# Altium PCB PCB2.PcbDoc (part 3 of 3)
Units mm, origin at the board's own origin, x right, y up, seen from the top; angles counter-clockwise.
Board outline 119.14 x 92.59 mm, 4 copper layers (Top Layer, GND Layer, PWR Layer, Bottom Layer), stack 1.471 mm thick; 167 components, 167 nets, 891 pads, 337 vias.
Unrouted connection lines stored in the file: 145.
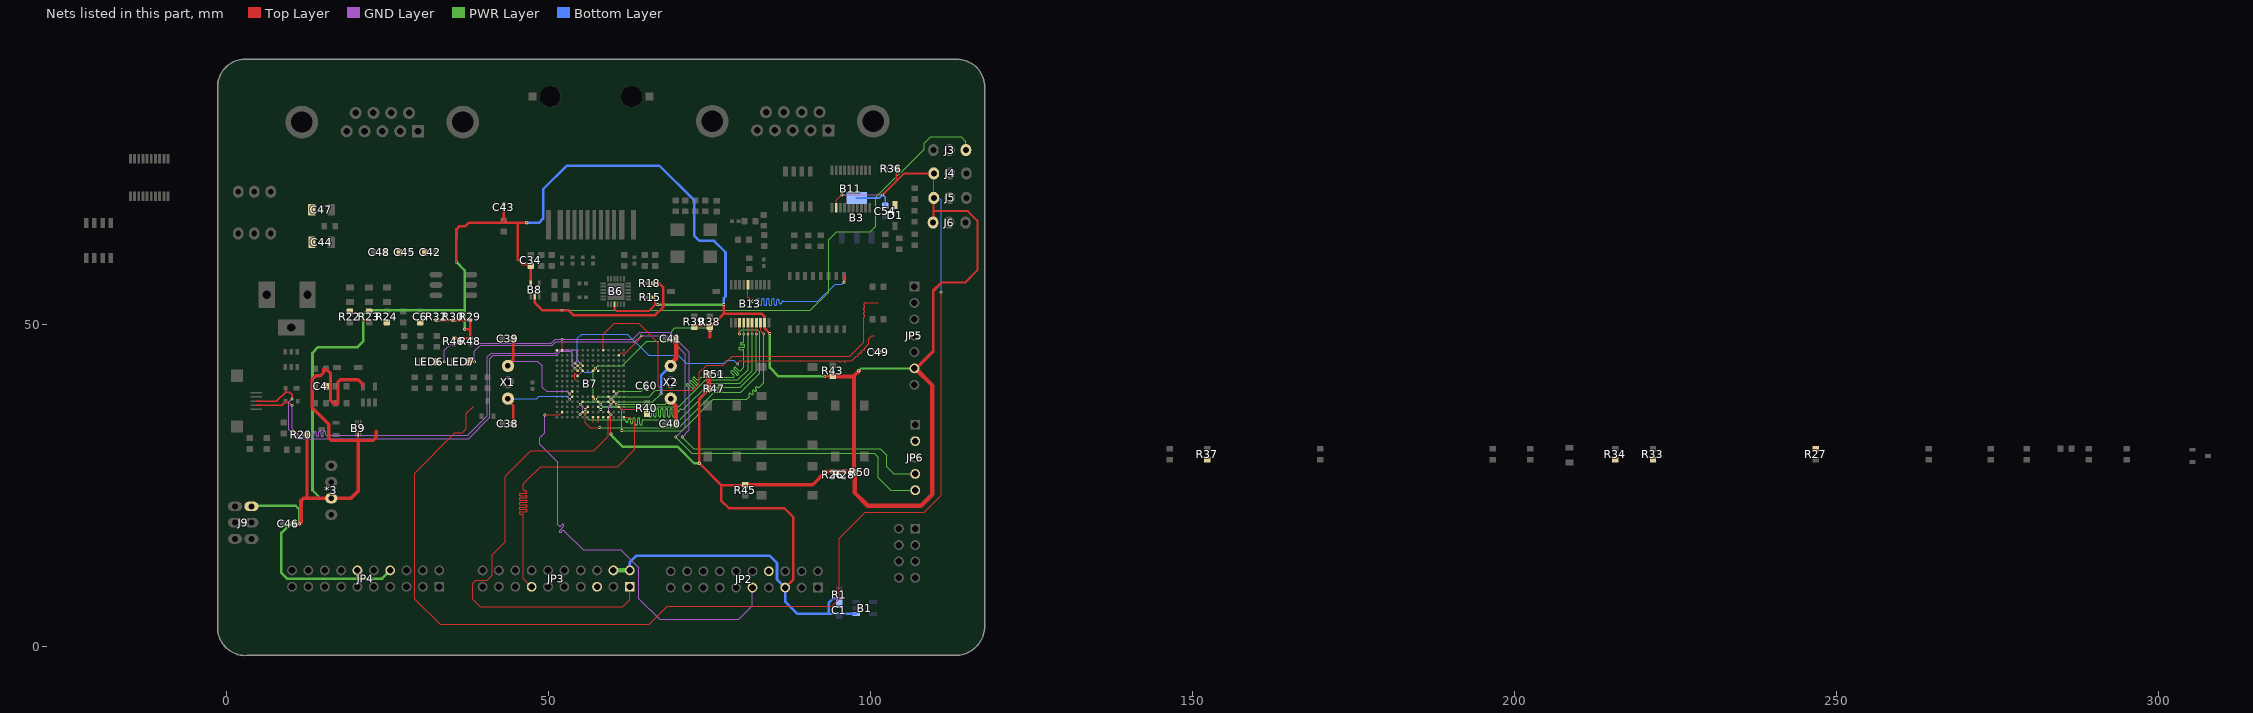
[diagram p5: the nets of this part, all layers, seen from the top]

## Via types
v1: diameter 0.42, hole 0.2, Top Layer to Bottom Layer, tented both sides, 238 vias
v2: diameter 0.5, hole 0.25, Top Layer to Bottom Layer, tented both sides, 62 vias
v3: diameter 1, hole 0.54, Top Layer to Bottom Layer, 32 vias
v4: diameter 6.3, hole 3.2, Top Layer to Bottom Layer, 4 vias
v5: diameter 0.42, hole 0.2, Top Layer to Bottom Layer, 1 vias

## Nets (pads, with @x,y where several pads share a name; then routed paths per layer and width w, separated by ;. In a path a pad name is that pad's centre, name@x,y a point inside that pad or via, vN(x,y) a via of type N, cw(c..) or ccw(c..) an arc to the next point about the centre after c; other vN are vias at no path point) (continued)
PIN_N2: B7.N2 JP2.5 | length 66.2
  Top Layer w0.12: v1(49.485,36.023) 49.508,36.046 51.743,36.046 B7.N2@52.178,36.481
  GND Layer w0.12: v1(49.485,36.023) 49.485,33.229 48.731,32.475 48.731,31.443 51.517,28.657 51.517,19.132 51.517,19.005 51.727,18.795 ccw(c51.854,18.922) 51.981,18.795 52.166,18.98 cw(c52.293,18.852) 52.42,18.98 cw(c52.293,18.852) 52.42,18.725 51.783,18.088 ccw(c51.91,17.96) 51.783,17.833 ccw(c51.91,17.96) 52.038,17.833 52.236,18.032 cw(c52.363,17.904) 52.491,18.032 52.533,17.989 55.454,15.068 61.296,15.068 64.086,12.279 64.086,7.5 67.312,4.273 79.584,4.273 81.743,6.432 JP2.5@81.743,9.226
PIN_P8: B7.P8 | length 0.8
  Top Layer w0.12: 56.978,34.841 B7.P8@56.978,35.681
PIN_P9: B7.P9 JP3.3 | length 0.8
  Top Layer w0.12: 57.778,34.841 B7.P9@57.778,35.681
PIN_P10: B7.P10
PIN_P11: B7.P11 JP2.17 JP3.1 | length 71.1
  Top Layer w0.12: B7.P11@59.378,35.681 59.378,32.708 57.105,30.435 47.326,30.435 43.389,26.498 43.389,16.338 41.357,14.306 41.357,11.158 40.588,10.389 38.768,10.389 38.309,9.931 38.309,7.431 39.495,6.245 61.617,6.245 62.693,7.321 JP3.1@62.693,9.353
PIN_P14: B7.P14 JP3.7 | length 52.7
  Top Layer w0.12: JP3.7@47.453,9.353 46.183,10.623 46.183,20.402 46.183,20.462 ccw(c46.003,20.462) 46.003,20.642 45.694,20.642 cw(c45.694,20.822) 45.694,21.002 46.564,21.002 ccw(c46.564,21.182) 46.564,21.362 45.694,21.362 cw(c45.694,21.542) 45.694,21.722 46.564,21.722 ccw(c46.564,21.902) 46.564,22.082 45.694,22.082 cw(c45.694,22.262) 45.694,22.442 46.564,22.442 ccw(c46.564,22.622) 46.564,22.802 45.694,22.802 cw(c45.694,22.982) 45.694,23.162 46.564,23.162 ccw(c46.564,23.342) 46.564,23.522 45.694,23.522 cw(c45.694,23.702) 45.694,23.882 46.515,23.882 ccw(c46.515,24.062) 46.515,24.242 46.363,24.242 cw(c46.363,24.422) 46.183,24.422 46.183,25.355 46.691,25.863 48.85,28.022 60.788,28.022 63.455,30.689 63.455,34.88 62.654,35.681 B7.P14@61.778,35.681
REFCLKO: B8.2 J3.1 R18.2 | length 110.6
  Top Layer w0.4: B8.2@47.961,54.504 47.961,53.422 49.104,52.279 v1(52.152,52.279) 53.168,52.279 53.93,51.517 66.63,51.517 67.9,52.787 67.9,55.835 67.265,56.47 R18.2@66.312,56.47
  PWR Layer w0.12: v1(52.152,52.279) 90.743,52.279 93.554,55.09 93.554,63.201 94.824,64.471 100.031,64.471 100.92,65.36 100.92,69.805 108.413,77.298 108.413,78.187 109.429,79.203 114.128,79.203 114.89,78.441 J3.1@114.89,77.171
"RTCX1 L12": B7.L12 C40.2 X2.2 | length 13.7
  Top Layer w0.12: B7.L12@60.178,38.081 v1(60.578,37.681)
  Top Layer w0.7: X2.2@69.043,38.563 69.043,38.237 69.854,37.426 C40.2@69.854,34.626
  PWR Layer w0.12: v1(60.578,37.681) 68.161,37.681 X2.2@69.043,38.563
"RTCX2 K11": B7.K11 C41.1 X2.1 | length 18.5
  Top Layer w0.12: B7.K11@59.378,38.881 v1(59.778,38.481)
  Top Layer w0.7: X2.1@69.043,43.643 69.043,43.969 69.893,44.819 C41.1@69.893,47.834
  PWR Layer w0.12: v1(59.778,38.481) 60.204,38.055 66.266,38.055 v1(67.552,39.341)
  Bottom Layer w0.4: v1(67.552,39.341) 67.552,42.152 X2.1@69.043,43.643
SPI_CLK: B7.D6 R40.1 | length 57.3
  Top Layer w0.12: v1(54.978,44.081) B7.D6@55.378,43.681 ; v1(79.465,43.889) 79.522,43.947 79.522,44.216 79.74,44.434 79.965,44.434 80.325,44.434 ccw(c80.505,44.448) 80.685,44.434 81.045,44.434 ccw(c81.225,44.434) 81.405,44.434 81.765,44.434 82.125,44.434 82.485,44.434 82.845,44.434 83.205,44.434 83.394,44.434 94.804,44.434 95.164,44.434 ccw(c95.344,44.434) 95.524,44.434 95.884,44.434 ccw(c96.064,44.434) 96.244,44.434 96.604,44.434 96.964,44.434 97.139,44.434 97.601,44.896 97.856,45.151 ccw(c97.973,45.288) 98.11,45.405 98.365,45.66 ccw(c98.492,45.787) 98.619,45.914 98.874,46.169 ccw(c99.001,46.296) 99.129,46.424 99.383,46.678 99.638,46.933 99.65,46.945 99.777,47.072 99.777,47.834 100.285,48.342 100.745,48.342
  Bottom Layer w0.12: v1(54.978,44.081) 54.565,44.494 54.565,47.961 55.2,48.596 62.312,48.596 65.611,45.297 70.214,45.297 71.476,44.035 77.309,44.035 77.806,44.532 78.822,44.532 v1(79.465,43.889)
SPI_CS: B7.A1 R37.1
SPI_MISO: B7.E9 R39.1
SPI_MOSI: B7.A10 R38.1 | length 64.9
  Top Layer w0.12: B7.A10@58.578,46.081 58.578,48.545 60.28,50.247 64.09,50.247 67.138,47.199 67.138,40.468 67.773,39.833 72.472,39.833 73.488,40.849 73.488,42.627 74.631,43.77 77.171,43.77 78.568,45.167 96.856,45.167 99.015,47.326 99.015,50.882 99.015,51.242 ccw(c99.015,51.422) 99.015,51.602 99.015,51.962 ccw(c99.015,52.142) 99.015,52.322 99.015,52.682 ccw(c99.015,52.862) 99.015,53.042 99.015,53.168 cw(c99.269,53.168) 99.269,53.422 101.256,53.422
UART_RXD: B7.B13 JP6.5 LED7.2 | length 98.4
  Top Layer w0.12: LED7.2@37.674,44.278 v1(38.563,44.278) ; B7.B13@60.978,45.281 61.378,45.681 62.064,45.681 63.201,46.818 64.442,48.059 64.442,48.313 v1(64.471,48.342)
  GND Layer w0.12: v1(38.563,44.278) 38.563,45.929 39.502,46.868 50.678,46.868 51.177,47.367 63.496,47.367 v1(64.471,48.342) 68.408,48.342 71.329,45.421 71.329,34.118 v1(69.805,32.594)
  PWR Layer w0.12: v1(69.805,32.594) 72.345,30.054 100.678,30.054 101.301,29.431 101.301,26.244 103.206,24.339 JP6.5@107.016,24.339
UART_TXD: B7.A2 JP6.4 LED6.2 | length 98.4
  Top Layer w0.12: LED6.2@32.721,44.278 v1(33.864,44.278) ; B7.A2@52.178,46.081 52.182,46.085 52.182,47.797 v1(52.186,47.802)
  GND Layer w0.12: v1(33.864,44.278) 33.864,46.056 35.007,47.199 50.501,47.199 51.103,47.802 v1(52.186,47.802) 63.178,47.802 64.226,48.85 68.826,48.85 71.931,45.745 71.931,33.704 v1(70.821,32.594)
  PWR Layer w0.12: v1(70.821,32.594) 72.599,30.816 101.555,30.816 102.571,29.8 102.571,28.022 103.714,26.879 JP6.4@107.016,26.879
USB0_DM_TRGT: B7.D5 R23.2 | length 71.4
  Top Layer w0.12: 9.239,38.182 9.239,38.132 9.479,37.892 9.897,37.892 v1(10.242,37.547) ; v1(54.178,44.081) B7.D5@54.578,43.681
  Top Layer w0.22: 4.654,37.532 8.639,37.532 9.239,38.132
  GND Layer w0.12: v1(10.242,37.547) 10.242,33.864 11.258,32.848 12.567,32.848 13.492,32.848 ccw(c13.492,33.028) 13.672,33.028 13.672,33.238 cw(c13.852,33.238) 14.032,33.238 14.032,32.884 ccw(c14.212,32.884) 14.392,32.884 14.392,33.312 cw(c14.572,33.312) 14.752,33.312 14.752,32.884 ccw(c14.932,32.884) 15.112,32.884 15.112,33.312 cw(c15.292,33.312) 15.472,33.312 15.472,33.028 ccw(c15.652,33.028) 15.652,32.848 16.072,32.848 37.547,32.848 40.595,35.896 40.595,45.04 41.151,45.596 51.151,45.596 51.738,46.183 54.184,46.183 54.565,45.802 54.565,44.468 v1(54.178,44.081)
USB0_DP_TRGT: B7.E5 R22.2 | length 71.4
  Top Layer w0.12: v1(54.178,43.281) B7.E5@54.578,42.881
  Top Layer w0.22: 4.654,38.182 7.829,38.182 9.239,39.592 ; 9.239,40.182 9.239,39.947 9.239,39.592 ; v1(10.237,38.504) 10.242,38.51 10.242,39.198 9.848,39.592 9.239,39.592
  GND Layer w0.12: v1(10.237,38.504) 10.183,38.504 9.734,38.055 9.734,33.737 11.131,32.34 37.674,32.34 40.976,35.642 40.976,44.786 41.469,45.279 51.248,45.279 51.898,45.929 53.422,45.929 53.761,45.591 53.761,43.699 v1(54.178,43.281)
USB_FS_VBUS_TRGT: D1.2
VDD_TARGET: *3.3 B1.1 B3.4 B6.9 B7.N6 B7.N11 B8.5 B9.9 B11.2 B13.19 C1.2 C4.1 C6.1 C34.1 C54.1 C60.1 J4.3 J5.3 J6.3 J9.4 JP2.3 JP3.19 JP3.20 JP4.15 JP4.17 JP5.6 JP6.2 R1.1 R15.2 R20.1 R24.1 R26.2 R27.2 R28.2 R29.2 R30.2 R32.2 R33.1 R34.1 R36.1 R43.1 R45.1 R46.1 R47.1 R48.1 R50.1 R51.1 | length 824.8
  Top Layer w0.12: 38.436,37.412 37.293,36.269 37.293,33.864 36.658,33.229 35.515,33.229 29.292,27.006 29.292,7.448 33.229,3.511 65.702,3.511 68.496,6.305 94.062,6.305 95.237,7.48 95.237,16.878 99.269,20.91 108.413,20.91 111.027,23.524 v1(111.027,55.094) ; 54.578,41.281 54.178,41.681 54.178,42.481 54.578,42.081 55.378,42.881 v1(54.978,43.281) ; v1(54.972,36.09) 54.979,36.09 55.371,36.481 B7.N6@55.378,36.481 ; v1(54.978,37.681) 55.378,38.081 ; 56.978,42.881 v1(57.378,43.281) ; B7.N11@59.378,36.481 59.378,36.476 59.766,36.088 v1(59.766,36.083) 59.769,36.08 59.769,33.105 v1(59.772,33.102) ; 59.378,38.081 v1(59.778,37.681) ; 60.178,39.681 v1(60.578,39.281) ; v1(64.852,40.087) C60.1@65.36,40.087 ; B11.2@94.753,68.182 94.753,69.353 v2(95.631,70.231) ; 104.076,72.327 104.101,72.351 ; J6.3@109.779,65.913 J6.3@109.842,65.977 ; J5.3@109.842,69.66 J5.3@109.906,69.723 J4.3@109.906,73.533
  Top Layer w0.2: 104.101,72.351 R36.1@104.101,74.295
  Top Layer w0.22: 20.529,32.044 B9.9@20.529,33.141
  Top Layer w0.3: B6.9@60.284,53.25 60.284,52.529 60.661,52.152 65.614,52.152 66.63,53.168 ; R15.2@66.328,54.311 66.63,54.009 66.63,53.168 ; v1(67.011,53.168) 66.63,53.168 ; v1(101.965,70.215) 104.076,72.327 ; 104.101,72.351 105.283,73.533 J4.3@109.906,73.533 ; J6.3@109.842,65.977 109.842,67.691 ; J5.3@109.842,69.66 109.842,67.691 ; 111.08,56.597 114.763,56.597 116.668,58.502 116.668,66.212 115.189,67.691 109.842,67.691
  Top Layer w0.4: v2(11.385,19.132) v2@11.385,19.159 ; 15.135,43.127 15.179,43.171 15.279,43.071 ; 21.138,40.848 21.238,40.748 21.238,40.448 ; v2(21.291,50.755) 22.227,50.755 ; R32.2@32.681,50.763 R30.2@35.304,50.763 R29.2@37.928,50.763 37.928,49.354 ; R46.1@35.388,47.961 35.396,47.953 37.92,47.953 R48.1@37.928,47.945 37.928,49.354 ; v2(35.769,59.772) 35.775,59.778 35.775,63.433 35.78,63.438 35.78,64.863 36.277,65.36 37.166,65.36 37.666,65.86 43.135,65.86 ; v2(37.043,49.354) 37.928,49.354 ; 43.135,67.773 43.135,65.86 ; 45.294,65.868 45.294,60.153 46.037,59.41 47.092,59.41 C34.1@47.326,59.176 47.326,56.744 47.311,56.729 B8.5@47.311,56.404 ; v2(46.691,65.868) 43.143,65.868 43.135,65.86 ; 72.726,50.001 75.139,50.001 ; R47.1@74.963,40.087 74.963,40.037 73.488,38.562 v2(73.488,28.53) 76.917,25.101 ; 74.996,48.103 75.139,48.103 v1(75.139,49.104) 75.139,50.001 ; v1(77.298,53.168) 77.298,51.771 77.352,51.771 ; R45.1@80.6,25.189 80.512,25.101 76.917,25.101 ; v1(84.425,48.662) 84.422,48.666 84.422,48.709 83.662,49.468 83.662,50.332 B13.19@83.637,50.357 83.612,50.382 83.612,51.299 83.14,51.771 77.352,51.771 ; JP2.3@86.823,9.226 88.093,10.496 88.093,20.148 86.696,21.545 78.06,21.545 76.917,22.688 76.917,25.101 ; v1(92.975,42.037) 92.978,42.034 94.186,42.034 R43.1@94.189,42.031 ; R26.2@94.189,27.252 R26.2@94.193,27.256 ; JP5.6@106.889,43.262 JP5.6@107.016,43.135 ; 75.139,50.001 75.224,50.086 75.667,50.086 77.352,51.771
  Top Layer w0.45: JP5.6@107.016,43.135 107.08,43.199 109.81,45.929 109.81,55.327 111.08,56.597
  Top Layer w0.5: 12.573,23.163 R20.1@12.573,32.891 ; 15.135,43.127 15.135,42.603 14.651,42.119 13.925,42.119 13.392,41.586 13.392,37.123 15.93,34.586 15.93,32.495 16.381,32.044 20.529,32.044 22.773,32.044 23.323,32.594 23.323,33.491 ; 15.279,43.071 15.64,43.071 16.211,42.5 16.211,38.309 16.66,37.86 17.362,37.86 17.362,41.111 17.735,41.484 20.502,41.484 21.138,40.848
  Top Layer w0.6: 10.496,19.132 v2(11.385,19.132) ; v2@11.385,19.159 11.639,19.413 11.639,22.688 12.045,23.094 *3.3@16.338,23.094 19.411,23.094 20.529,24.212 20.529,32.044 ; R20.1@12.489,32.975 R20.1@12.573,32.891 ; R45.1@80.6,25.189 91.102,25.189 93.165,27.252 R26.2@94.189,27.252 ; R43.1@94.189,42.031 94.383,42.031 94.389,42.025 97.491,42.025 ; R26.2@94.193,27.256 R28.2@95.967,27.256 ; R28.2@95.967,27.26 R50.1@97.251,27.26 ; R50.1@97.657,27.133 97.657,27.183 97.491,27.349 97.491,42.025 ; v2(98.255,42.881) 97.491,42.117 97.491,42.025
  Top Layer w0.7: R51.1@74.924,42.373 74.924,42.243 74.944,42.223 74.944,40.237 74.963,40.218 R47.1@74.963,40.087 ; R50.1@97.657,27.133 97.657,23.919 99.65,21.926 107.905,21.926 109.683,23.704 109.683,40.595 107.08,43.199 107.016,43.262 JP5.6@106.889,43.262
  GND Layer w0.12: v1(54.972,36.09) 55.375,36.493 55.375,37.284 v1(54.978,37.681) ; v1(59.766,36.083) 59.391,36.458 59.391,37.294 v1(59.778,37.681) ; v2(95.631,70.231) 95.639,70.223 101.957,70.223 v1(101.965,70.215)
  PWR Layer w0.12: v1(54.978,37.681) 55.352,38.055 56.978,38.055 ; v1(59.778,37.681) 59.404,38.055 56.978,38.055 ; v1(60.578,39.281) 61.003,39.706 64.471,39.706 v1(64.852,40.087) ; v1(75.139,49.104) 74.697,49.546 69.655,49.546 69.17,49.061 69.17,47.961 68.662,47.453 65.284,47.453 61.482,43.651 58.025,43.651 58.017,43.643 57.74,43.643 v1(57.378,43.281) 56.978,42.881 56.978,38.055
  PWR Layer w0.3: 10.795,21.899 10.822,21.899 ; v2(98.255,42.881) 98.636,43.262 JP5.6@106.889,43.262
  PWR Layer w0.4: J9.4@3.937,21.844 3.992,21.899 10.795,21.899 ; 10.822,21.899 11.385,21.336 v2(11.385,19.132) 9.988,19.132 8.591,17.735 8.591,11.512 9.48,10.623 20.402,10.623 ; *3.3@16.338,23.094 14.662,23.094 13.417,24.339 13.417,45.675 14.306,46.564 20.408,46.564 21.291,47.448 v2(21.291,50.755) 21.291,51.644 21.926,52.279 37.043,52.279 ; JP4.15@20.402,11.893 20.402,10.623 ; JP4.17@25.482,11.893 24.212,10.623 20.402,10.623 ; v2(35.769,59.772) 37.043,58.498 37.043,52.279 ; v2(37.043,49.354) 37.043,52.279 ; v1(59.772,33.102) 59.776,33.098 59.776,32.936 61.641,31.07 70.15,31.07 72.69,28.53 v2(73.488,28.53) ; v1(67.011,53.168) v1(77.298,53.168) ; v1(84.425,48.662) 84.425,43.374 85.763,42.037 v1(92.975,42.037)
  PWR Layer w0.7: JP3.19@60.153,11.893 JP3.20@62.693,11.893
  Bottom Layer w0.12: v1(54.978,43.281) 55.632,42.627 56.724,42.627 v1(57.378,43.281) ; v1(59.778,37.681) 60.153,38.056 60.153,38.944 60.263,39.054 60.27,39.054 60.497,39.281 v1(60.578,39.281) ; 109.835,70.694 109.835,70.567 111.027,69.375 v1(111.027,55.094)
  Bottom Layer w0.2: v1(101.965,70.215) 102.362,69.817 C54.1@102.362,68.541
  Bottom Layer w0.22: R1.1@95.204,7.582 R1.1@95.205,7.583 ; B1.1@97.808,5.136 B1.1@97.842,5.101
  Bottom Layer w0.3: B3.4@97.917,69.725 101.475,69.725 v1(101.965,70.215)
  Bottom Layer w0.4: v2(46.691,65.868) 48.596,65.868 49.231,66.503 49.231,71.075 52.914,74.758 67.265,74.758 72.726,69.297 72.726,63.836 73.488,63.074 75.774,63.074 77.554,61.294 77.554,54.42 77.298,54.164 v1(77.298,53.168) ; JP3.20@62.693,11.893 62.693,13.163 63.709,14.179 84.41,14.179 85.553,13.036 85.553,10.496 JP2.3@86.823,9.226 86.823,7.067 88.755,5.136 93.554,5.136 ; R1.1@95.204,7.582 94.323,7.582 93.554,6.813 93.554,5.136 ; B1.1@97.808,5.136 93.554,5.136
VDD_TARGET_IC: B7.E6 B7.E8 B7.F5 B7.J12 B7.L6 B7.L11 C42.2 C43.2 C44.2 C45.2 C46.2 C47.2 C48.2 C49.2
W77Q_CLK: B7.M13 B13.16 | length 44.6
  Top Layer w0.12: B7.M13@60.978,37.281 61.378,36.881 64.44,36.881 v1(64.471,36.912) ; B13.16@81.687,50.357 81.704,50.34 v1(81.704,48.622)
  PWR Layer w0.12: v1(64.471,36.912) 65.11,36.912 65.53,36.912 cw(c65.53,36.732) 65.71,36.732 65.71,35.89 ccw(c65.89,35.89) 66.07,35.89 66.07,36.808 cw(c66.25,36.808) 66.43,36.808 66.43,35.89 ccw(c66.61,35.89) 66.79,35.89 66.79,36.808 cw(c66.97,36.808) 67.15,36.808 67.15,35.89 ccw(c67.33,35.89) 67.51,35.89 67.51,36.808 cw(c67.69,36.808) 67.87,36.808 67.87,35.89 ccw(c68.05,35.89) 68.23,35.89 68.23,36.808 cw(c68.41,36.808) 68.59,36.808 68.59,35.89 ccw(c68.77,35.89) 68.95,35.89 68.95,36.808 cw(c69.13,36.808) 69.31,36.808 69.31,35.951 ccw(c69.49,35.951) 69.67,35.951 69.67,36.808 cw(c69.85,36.808) 70.03,36.808 70.03,36.732 ccw(c70.21,36.732) 70.39,36.732 cw(c70.57,36.732) 70.57,36.912 71.003,36.912 71.086,36.995 75.067,40.976 79.757,40.976 81.704,42.923 v1(81.704,48.622)
W77Q_CS: B7.N7 B13.13 | length 44.6
  Top Layer w0.12: B7.N7@56.178,36.481 55.778,36.081 55.778,34.841 56.546,34.073 v1(58.011,34.073) ; v1(79.713,48.591) 79.713,50.333 B13.13@79.737,50.357
  PWR Layer w0.12: v1(58.011,34.073) 70.268,34.073 75.774,39.579 79.922,39.579 82.886,42.543 82.886,48.85 82.505,49.231 80.058,49.231 79.721,48.894 79.721,48.599 v1(79.713,48.591)
W77Q_HOLD: B7.L9 B13.18 | length 43.6
  Top Layer w0.12: B7.L9@57.778,38.081 v1(58.178,37.681) ; B13.18@82.987,50.357 82.987,49.125 v1(83.471,48.641)
  PWR Layer w0.12: v1(61.423,33.61) 70.821,33.61 75.647,38.436 80.854,38.436 81.191,38.773 81.233,38.815 ccw(c81.106,38.942) 81.233,39.07 81.218,39.085 cw(c81.345,39.212) 81.218,39.339 cw(c81.345,39.212) 81.472,39.339 81.555,39.257 ccw(c81.682,39.384) 81.809,39.257 ccw(c81.682,39.384) 81.809,39.512 81.765,39.556 cw(c81.892,39.683) 81.765,39.811 cw(c81.892,39.683) 82.019,39.811 82.064,39.766 ccw(c82.191,39.893) 82.319,39.766 ccw(c82.191,39.893) 82.319,40.021 82.251,40.088 cw(c82.379,40.215) 82.251,40.342 cw(c82.379,40.215) 82.506,40.342 ccw(c82.633,40.47) 82.76,40.342 82.989,40.571 83.471,41.053 v1(83.471,48.641)
  Bottom Layer w0.12: v1(58.178,37.681) 58.178,37.617 58.502,37.293 60.961,37.293 61.423,36.831 v1(61.423,33.61)
W77Q_MISO: B7.M7 B13.17 | length 44.6
  Top Layer w0.12: v1(55.778,36.881) B7.M7@56.178,37.281 ; B13.17@82.337,50.357 82.352,50.342 v1(82.352,48.605)
  PWR Layer w0.12: v1(55.778,36.881) 55.778,35.826 56.343,35.261 60.901,35.261 61.912,35.261 cw(c61.912,35.081) 62.092,35.081 ccw(c62.272,35.081) 62.452,35.081 62.452,35.261 cw(c62.632,35.261) 62.812,35.261 62.812,34.856 ccw(c62.992,34.856) 63.172,34.856 63.172,35.392 cw(c63.352,35.392) 63.532,35.392 63.532,34.626 ccw(c63.712,34.626) 63.892,34.626 63.892,35.392 cw(c64.072,35.392) 64.252,35.392 64.252,34.626 ccw(c64.432,34.626) 64.612,34.626 64.612,35.081 cw(c64.792,35.081) 64.792,35.261 64.852,35.261 70.44,35.261 75.52,40.341 79.838,40.341 82.352,42.855 v1(82.352,48.605)
W77Q_MOSI: B7.K8 B13.14 | length 44.6
  Top Layer w0.12: B7.K8@56.978,38.881 v1(57.378,38.481) ; B13.14@80.387,50.357 80.405,50.339 v1(80.405,48.602)
  PWR Layer w0.12: v1(57.378,38.481) 57.778,38.881 65.678,38.881 66.63,39.833 71.696,39.833 71.803,39.941 71.846,39.983 ccw(c71.718,40.11) 71.846,40.238 71.518,40.565 cw(c71.645,40.693) 71.518,40.82 cw(c71.645,40.693) 71.773,40.82 72.416,40.177 ccw(c72.543,40.304) 72.67,40.177 ccw(c72.543,40.304) 72.67,40.432 72.027,41.075 cw(c72.154,41.202) 72.027,41.329 cw(c72.154,41.202) 72.282,41.329 72.925,40.686 ccw(c73.052,40.813) 73.179,40.686 ccw(c73.052,40.813) 73.179,40.941 72.536,41.584 cw(c72.663,41.711) 72.536,41.838 cw(c72.663,41.711) 72.791,41.838 73.119,41.511 ccw(c73.246,41.638) 73.373,41.511 73.608,41.745 73.728,41.865 78.568,41.865 78.822,41.865 78.865,41.908 ccw(c78.737,42.035) 78.865,42.162 78.412,42.615 cw(c78.539,42.742) 78.412,42.869 cw(c78.539,42.742) 78.667,42.869 79.279,42.257 ccw(c79.406,42.385) 79.533,42.257 ccw(c79.406,42.385) 79.533,42.512 78.921,43.124 cw(c79.049,43.251) 78.921,43.379 cw(c79.049,43.251) 79.176,43.379 79.628,42.926 ccw(c79.756,43.053) 79.883,42.926 80.219,43.262 80.405,43.448 80.405,45.944 80.405,46.004 ccw(c80.225,46.004) 80.225,46.184 79.78,46.184 cw(c79.78,46.364) 79.78,46.544 80.385,46.544 ccw(c80.385,46.724) 80.385,46.904 80.04,46.904 cw(c80.04,47.084) 80.04,47.264 80.225,47.264 ccw(c80.225,47.444) 80.405,47.444 80.405,47.899 v1(80.405,48.602)
W77Q_WR: B7.M9 B13.15 | length 33.3
  Top Layer w0.12: B7.M9@57.778,37.281 v1(58.178,36.881) ; B13.15@81.037,50.357 81.051,50.343 v1(81.051,48.613)
  PWR Layer w0.12: v1(58.178,36.881) 58.59,37.293 70.308,37.293 74.499,41.484 79.457,41.484 81.051,43.078 v1(81.051,48.613)
WR: B13.6 | length 27.4
  Top Layer w0.15: B13.6@81.037,56.233 81.037,54.382 v2(81.743,53.676)
  Top Layer w0.4: B13.6@81.037,56.233 B13.6@81.062,56.258 ; v2(95.967,56.639) 95.967,57.613
  Bottom Layer w0.15: v2(81.743,53.676) 82.124,53.676 82.199,53.676 ccw(c82.199,53.871) 82.394,53.871 82.394,53.907 cw(c82.589,53.907) 82.589,54.102 cw(c82.589,53.907) 82.784,53.907 82.784,53.229 ccw(c82.979,53.229) 82.979,53.034 ccw(c82.979,53.229) 83.174,53.229 83.174,53.907 cw(c83.369,53.907) 83.369,54.102 cw(c83.369,53.907) 83.564,53.907 83.564,53.229 ccw(c83.759,53.229) 83.759,53.034 ccw(c83.759,53.229) 83.954,53.229 83.954,53.907 cw(c84.149,53.907) 84.149,54.102 cw(c84.149,53.907) 84.344,53.907 84.344,53.229 ccw(c84.539,53.229) 84.539,53.034 ccw(c84.539,53.229) 84.734,53.229 84.734,53.907 cw(c84.929,53.907) 84.929,54.102 cw(c84.929,53.907) 85.124,53.907 85.124,53.229 ccw(c85.319,53.229) 85.319,53.034 ccw(c85.319,53.229) 85.514,53.229 85.514,53.775 cw(c85.709,53.775) 85.709,53.97 cw(c85.709,53.775) 85.904,53.775 85.904,53.481 ccw(c86.099,53.481) 86.099,53.286 ccw(c86.099,53.481) 86.294,53.481 cw(c86.489,53.481) 86.489,53.676 87.453,53.676 91.903,53.676 94.57,56.343 95.591,56.343 95.887,56.639 v2(95.967,56.639)
"XTAL1 K4": B7.K4 C38.2 X1.2 | length 14.8
  Top Layer w0.12: v1(53.378,38.481) B7.K4@53.778,38.881
  Top Layer w0.4: X1.2@43.77,38.563 43.77,38.309 44.62,37.459 C38.2@44.62,34.626
  Bottom Layer w0.12: X1.2@43.77,38.563 48.215,38.563 48.557,38.905 52.954,38.905 v1(53.378,38.481)
"XTAL2 J4": B7.J4 C39.2 X1.1 | length 19.1
  Top Layer w0.12: v1(53.378,39.281) B7.J4@53.778,39.681
  Top Layer w0.4: X1.1@43.77,43.643 43.77,43.81 44.59,44.63 44.59,47.804 C39.2@44.62,47.834
  GND Layer w0.12: X1.1@43.77,43.643 44.532,44.405 48.342,44.405 49.104,43.643 49.104,40.341 49.772,39.673 52.986,39.673 v1(53.378,39.281)
pads on no net: *1.4 *1.6 *1.7 *1.8 *1.9 *1.G1 *1.G2 *2.4 *2.6 *2.7 *2.8 *2.9 *2.G1 *2.G2 *4.3 *4.4 *4.5 *4.6 *4.9 *4.11 *4.12 *4.13 *4.14 B1.4 B2.1 B2.3 B2.4 B2.5 B2.9 B2.11 B2.12 B2.16 B2.17 B2.18 B2.20 B4.5 B5.4 B6.10 B7.A7 B7.A8 B7.A11 B7.A12 B7.B2 B7.B4 B7.B7 B7.B8 B7.B10 B7.B11 B7.C1 B7.C5 B7.C6 B7.C7 B7.C9 B7.C11 B7.C12 B7.C13 B7.C14 B7.D4 B7.D10 B7.D13 B7.D14 B7.E1 B7.E4 B7.E12 B7.E13 B7.F3 B7.F4 B7.F10 B7.F11 B7.F12 B7.G1 B7.G2 B7.G5 B7.H2 B7.H3 B7.H4 B7.H10 B7.H12 B7.H13 B7.H14 B7.J2 B7.J10 B7.J11 B7.J13 B7.J14 B7.K1 B7.K2 B7.K3 B7.K6 B7.K9 B7.K10 B7.K12 B7.K14 B7.L1 B7.L2 B7.L4 B7.L7 B7.L8 B7.L10 B7.M1 B7.M2 B7.M8 B7.M14 B7.N1 B7.N4 B7.N8 B7.N9 B7.N14 B7.P1 B7.P6 B7.P7 B8.1 B9.1 B9.3 B11.1 B11.3 B11.4 B11.5 B11.9 B11.11 B11.12 B11.16 B11.17 B11.18 B11.20 B12.5 B13.1 B13.9 B13.12 B13.20 C1.0 C2.0 C3.0 C3.2 C4.0 C5.0 C5.1 C6.0 C7.0 C8.0 C9.0 C10.0 C10.2 C11.0 C11.2 C12.0 C13.0 C14.0 C15.0 C16.0 C17.0 C18.0 C19.0 C20.0 C21.0 C22.0 C23.0 C24.0 C25.0 C25.1 C26.0 C27.0 C28.0 C29.0 C30.0 C31.0 C32.0 C33.0 C34.0 C35.0 C36.0 C37.0 C38.0 C39.0 C40.0 C41.0 C42.0 C43.0 C44.0 C45.0 C46.0 C47.0 C48.0 C49.0 C50.0 C51.0 C52.0 C53.0 C54.0 C55.0 C56.0 C57.0 C58.0 C59.0 C60.0 C61.0 J1. J1.9 JP1.1 JP1.2 JP1.3 JP1.4 JP2.18 JP3.11 JP3.13 JP4.1 JP4.2 JP4.3 JP4.4 JP4.6 JP4.7 JP4.8 JP4.9 JP4.10 JP4.18 ON/OFF1.3 R1.0 R2.0 R3.0 R4.0 R5.0 R6.0 R7.0 R8.0 R9.0 R10.0 R11.0 R12.0 R13.0 R14.0 R15.0 R16.0 R17.0 R18.0 R19.0 R20.0 R21.0 R22.0 R23.0 R24.0 R25.0 R26.0 R27.0 R28.0 R29.0 R30.0 R31.0 R32.0 R33.0 R34.0 R35.0 R35.2 R36.0 R37.0 R38.0 R39.0 R40.0 R41.0 R42.0 R43.0 R44.0 R45.0 R46.0 R47.0 R48.0 R49.0 R50.0 R51.0 SW1.1